# Altium PCB dAir_0.0.0.2.PcbDoc
Units mm, origin at the board's own origin, x right, y up, seen from the top; angles counter-clockwise.
Board outline 90 x 83 mm, 2 copper layers (Top Layer, Bottom Layer); 92 components, 56 nets, 316 pads, 180 vias.
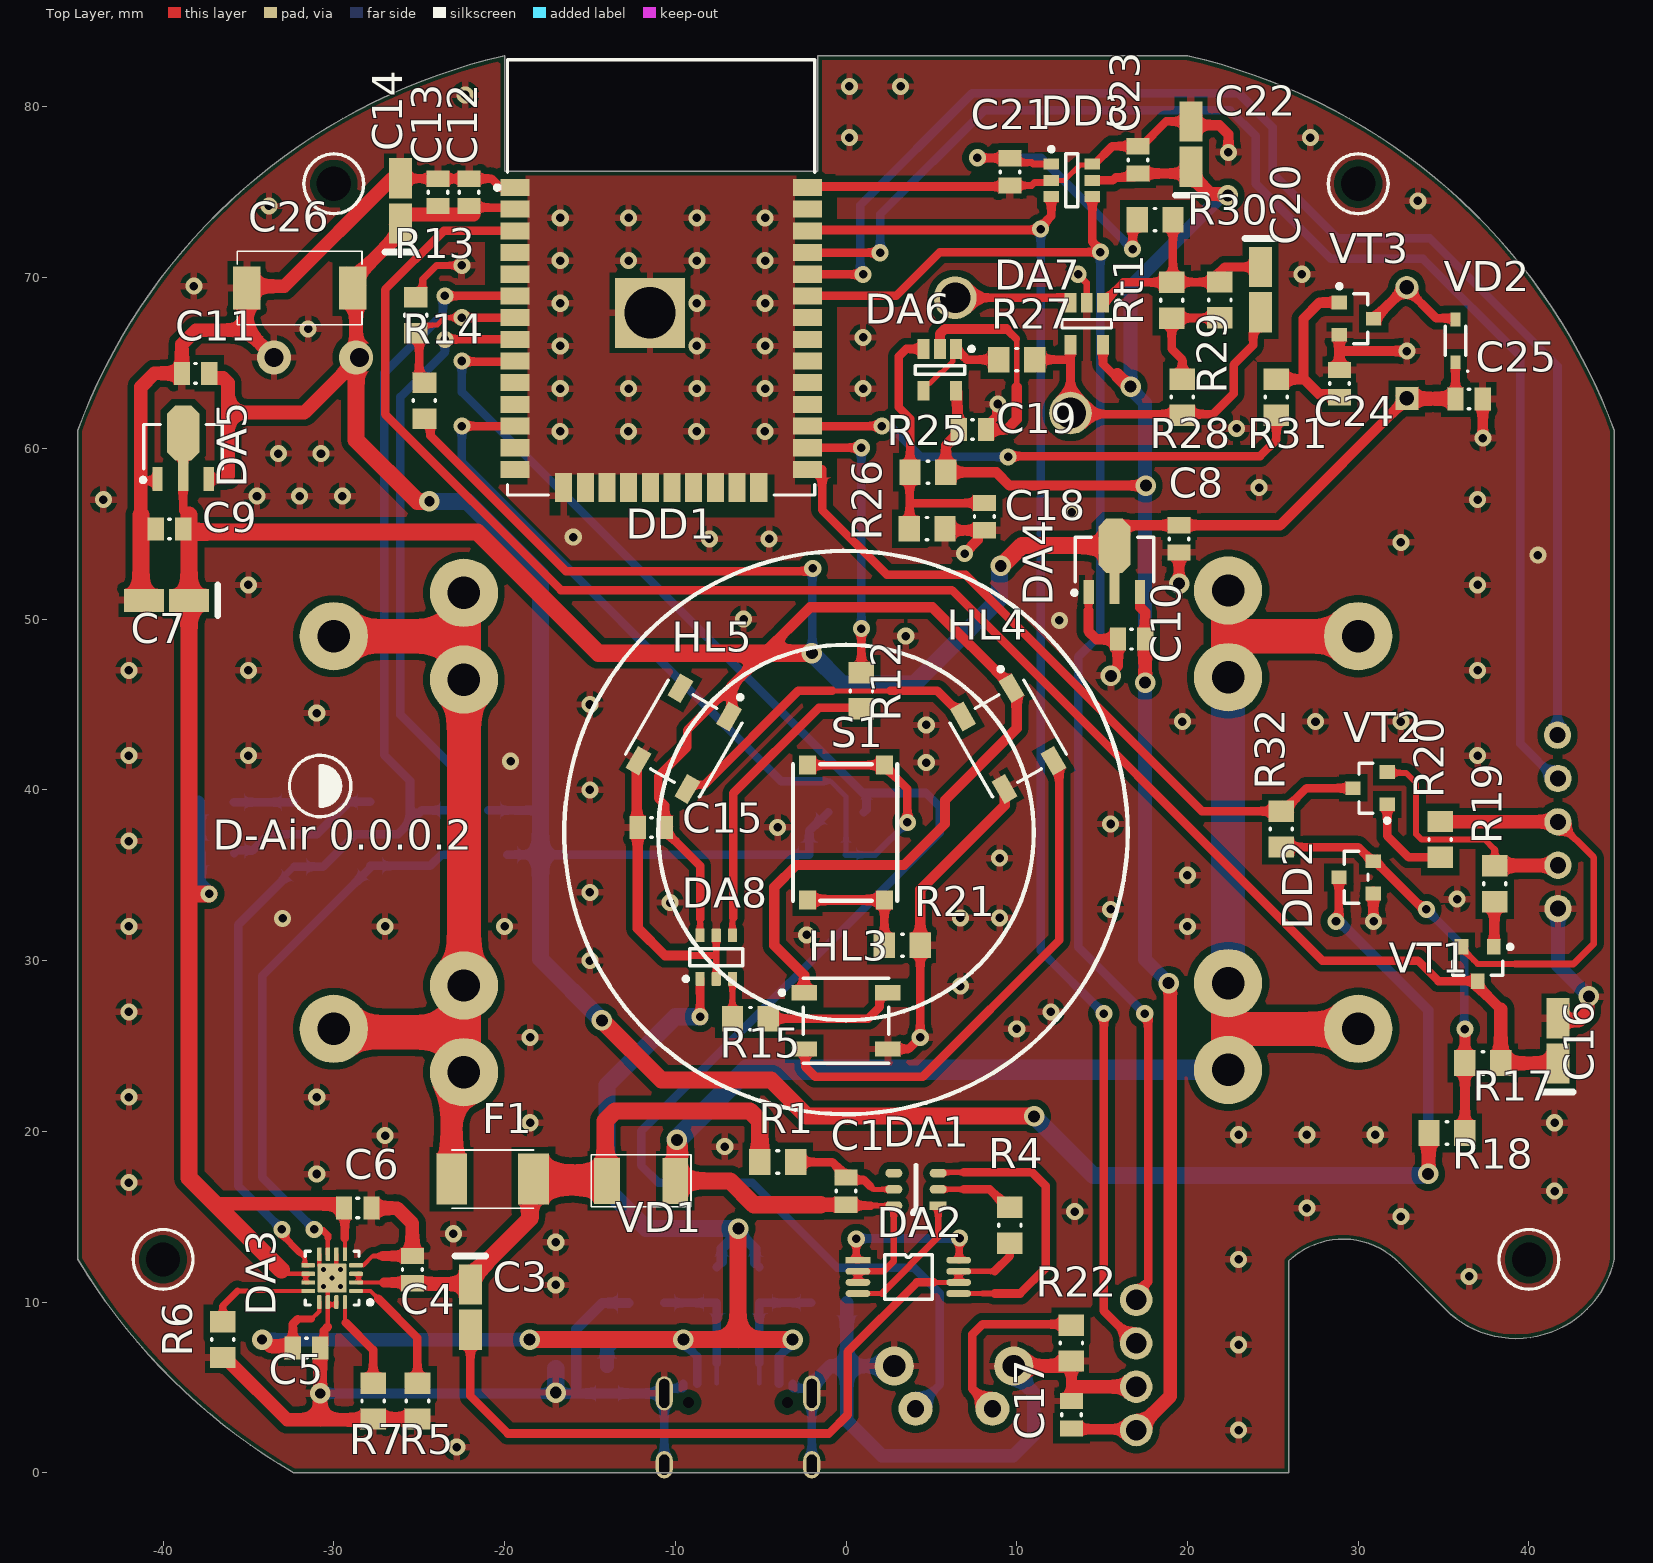
[diagram p0: Top Layer view]
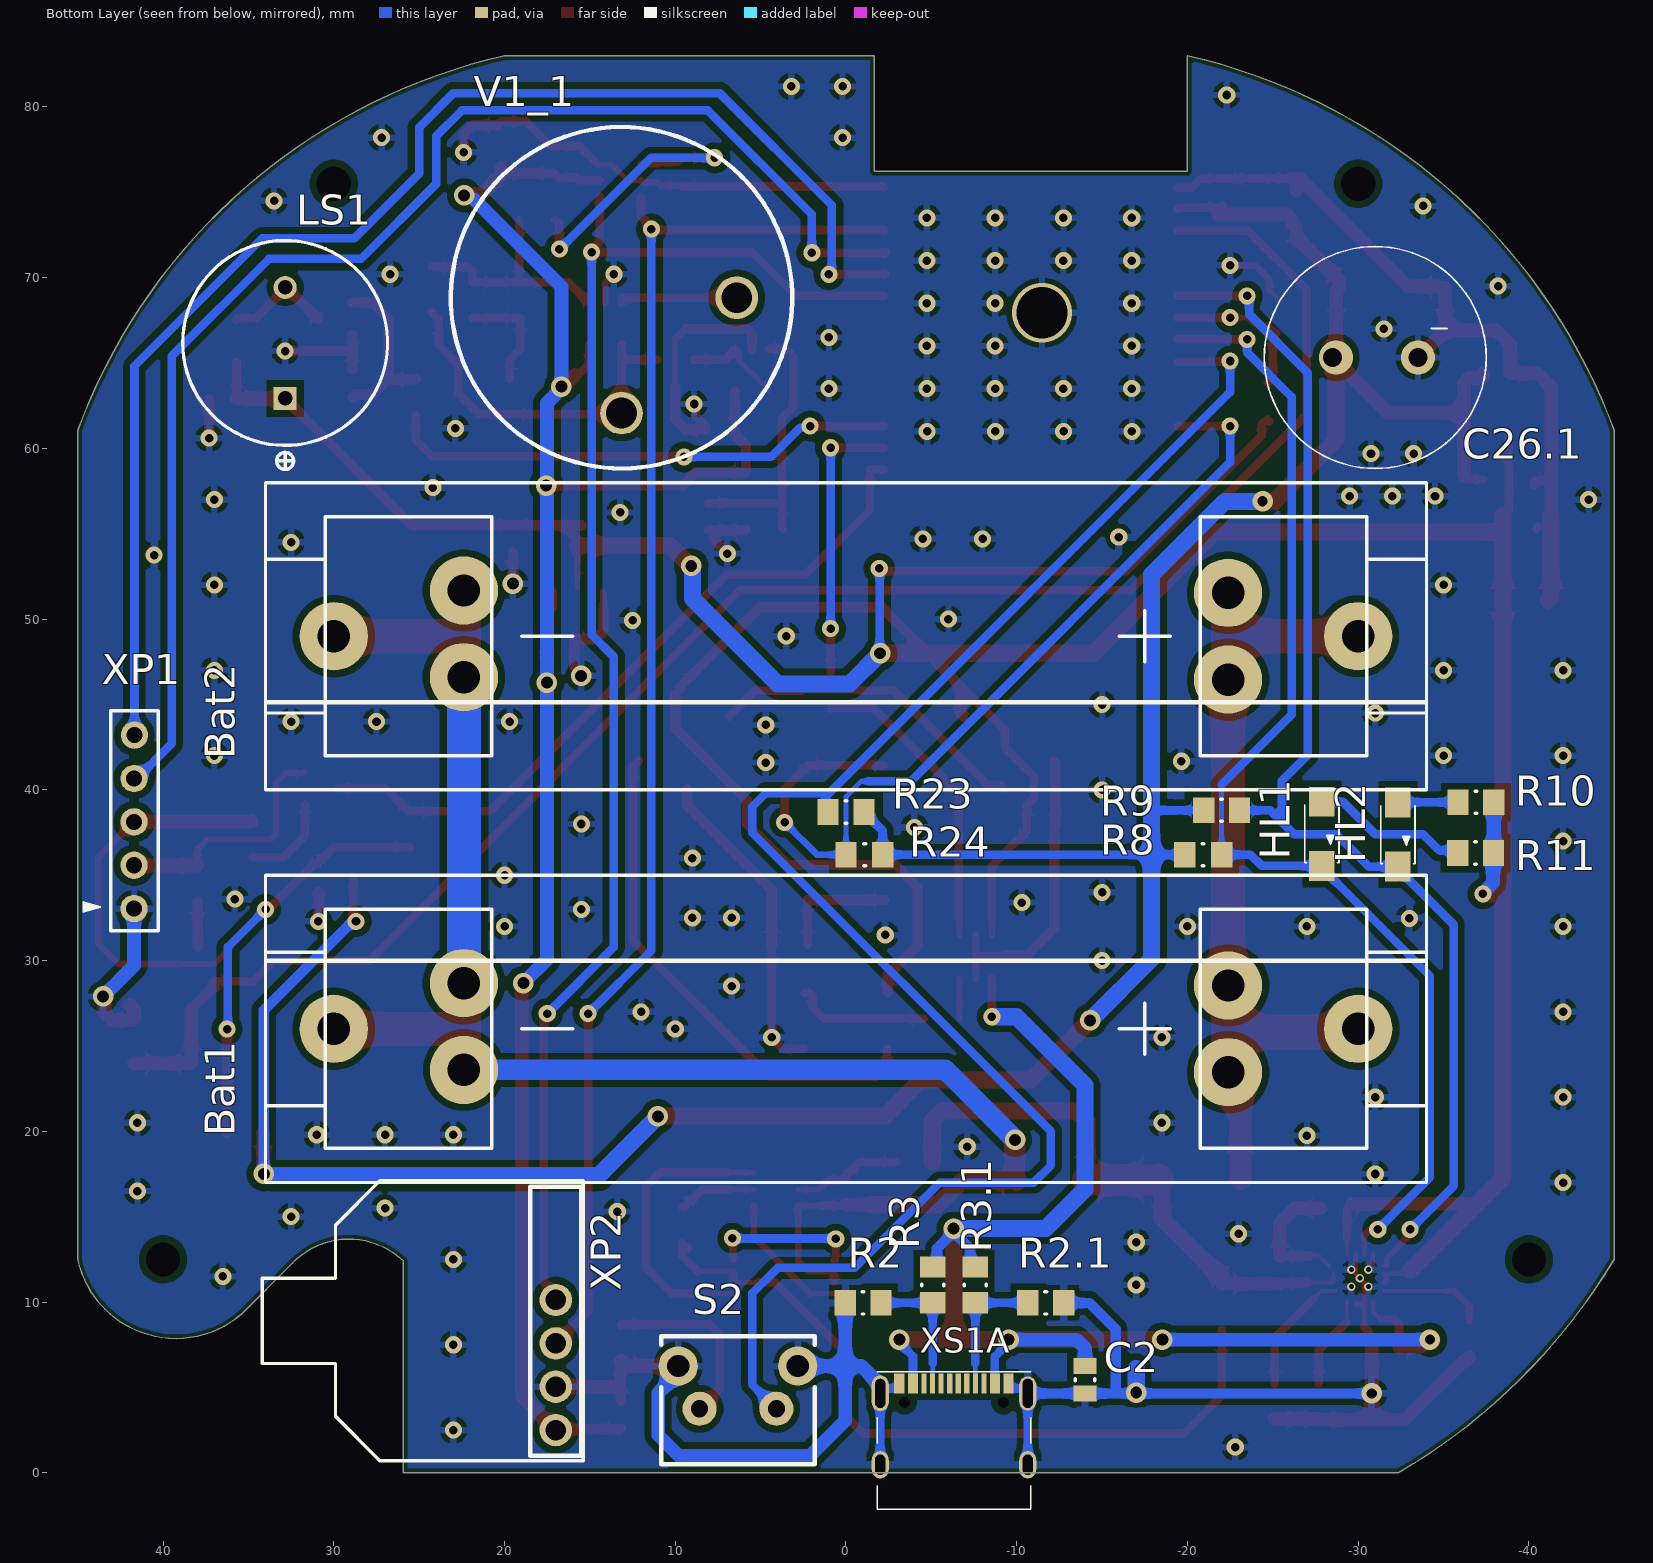
[diagram p1: Bottom Layer view, seen from below]

## Layer stack, top to bottom
Top Solder: solder mask 0.0102, Solder Resist, Dk 3.5
Top Layer: signal copper 0.0356
Dielectric 1: dielectric 0.32, FR-4, Dk 4.8
Bottom Layer: signal copper 0.0356
Bottom Solder: solder mask 0.0102, Solder Resist, Dk 3.5

## Board outline
-44.997,12.506 -45,61.05 cw(c-12.241,48.95) -20,83 -20,76.225 -1.65,76.225 -1.65,83 20,83 cw(c12.241,48.95) 45,61.05 45,12.5 cw(c39.249,13.749) 35.384,9.311 32.417,12.282 ccw(c29.113,9.095) 25.926,12.4 25.925,0 -32.37,0 cw(c-14.036,31.139)

## Design rules (kind name [scope] priority, off if disabled: settings)
BoardOutlineClearance [All] p1: gap=0.25 ignorepadtopadclearanceinfootprint=FALSE
Clearance [All] p1: gap=0.25 ignorepadtopadclearanceinfootprint=FALSE except(0.1: SMDPad-Via; 0.2: SMDPad-SMDPad; 0.4: Arc-Fill Arc-Poly Arc-Region Track-Fill Track-Poly Track-Region SMDPad-Fill SMDPad-Poly SMDPad-Region THPad-Fill THPad-Poly THPad-Region Via-Fill Via-Poly Via-Region Fill-Fill Fill-Poly Fill-Region Poly-Poly Poly-Region Region-Region)
HoleSize [All] p1: absolutevalues=TRUE maxlimit=5 minlimit=0.025 maxpercent=80.000 minpercent=20.000
PolygonConnect [All] p1: connectstyle=Relief reliefconductorwidth=0.4 reliefentries=4 polygonreliefangle="90 Angle" airgapwidth=0.3
RoutingVias [All] p1: holewidth=0 width=1 viastyle="Through Hole" minholewidth=0 minwidth=0 maxholewidth=10 maxwidth=10
SilkToSolderMaskClearance [IsPad] p1: minsilkscreentomaskgap=0.25 clearancetoexposedcopper=TRUE
SolderMaskExpansion [All] p1: expansion=0.102 istentingtop=FALSE
Width [All] p1: maxlimit=2 minlimit=0.25 preferedwidth=0.5
28 further rules are at their usual default settings.

## Components (designator, comment, footprint, x,y, rotation, side; value= is the part's Value field where it differs from the comment)
Bat1 "*" Bat_18650_KEYS54 0,26 r0 bottom locked
Bat2 "АКБ_18650_KEYS54" Bat_18650_KEYS54 0,49 r0 bottom locked
C1 "100nF" CAPC0805(2012)155_L 0,16.5 r270 top value=4.7uF
C2 "100nF" CAPC0805(2012)155_L -14,5.45 r270 bottom locked value=4.7uF
C3 "47uF" KEMT-A-3216-18-2_M -22,9.7 r270 top
C4 "4.7uF" CAPC0805(2012)155_L -25.4,11.9 r90 top
C5 "1uF" CAPC0805(2012)155_L -31.6,7.3 r0 top value=4.7uF
C6 "4.7uF" CAPC0805(2012)155_L -28.6,15.5 r0 top
C7 "100uF" KEMT-A-3216-18-2_M -39.8,51.1 r180 top
C8 "1uF" CAPC0805(2012)155_L 19.5,54.7 r90 top value=4.7uF
C9 "1uF" CAPC0805(2012)155_L -39.625,55.275 r0 top value=4.7uF
C10 "1uF" CAPC0805(2012)155_L 16.725,48.825 r0 top value=4.7uF
C11 "1uF" CAPC0805(2012)155_L -38.1,64.4 r0 top value=4.7uF
C12 "1nF" CAPC0805(2012)155_L -22.075,75 r270 top value=4.7uF
C13 "0.1uF" CAPC0805(2012)155_L -23.9,75 r270 top value=4.7uF
C14 "100uF" KEMT-A-3216-18-2_M -26.1,74.5 r90 top
C15 "0.1uF" CAPC0805(2012)155_L -11.4,37.8 r0 top value=4.7uF
C16 "0.1uF" KEMT-A-3216-18-2_M 41.7,25.3 r90 top
C17 "0.1uF" CAPC0805(2012)155_L 13.2,3.4 r270 top value=4.7uF
C18 "0.1uF" CAPC0805(2012)155_L 8.1,56 r90 top value=4.7uF
C19 "1uF" CAPC0805(2012)155_L 7.4,61.1 r0 top value=4.7uF
C20 "47uF" KEMT-A-3216-18-2_M 24.275,69.3 r270 top
C21 "0.1uF" CAPC0805(2012)155_L 9.6,76.2 r270 top value=4.7uF
C22 "10uF" KEMT-A-3216-18-2_M 20.2,77.825 r90 top
C23 "0.1uF" CAPC0805(2012)155_L 17.1,76.9 r270 top value=4.7uF
C24 "100 nF" CAPC0805(2012)155_L 28.9,63.8 r90 top value=4.7uF
C25 "1mF" CAPC0805(2012)155_L 36.5,62.9 r0 top value=4.7uF
C26 "Cap_tantal" "Tantal тип E" -32,69.4 r180 top
C26.1 "Cap_electrolitic" Capacitor_radial_13x21_5mm -31,65.325 r180 bottom locked
DA1 "dw01v" dw01v_SOT-23-6 5.5,15.65 r180 top
DA2 "fs8205" FS8205_TSSOP-8 0.7,12.45 r0 top
DA3 "BQ24075" RGT0016C_V -30.1,11.4 r180 top
DA4 "XC6206P302PR" SOT89_N 15.725,53.5 r90 top
DA5 "XC6206P302PR" SOT89_N -38.825,60.1 r90 top
DA6 "AD8603AU" ADI-UJ-5_M 5.5,64.6 r270 top
DA7 "AD8603AU" ADI-UJ-5_M 14.1,67.3 r270 top
DA8 "SN74LVC1T45DBVR" DBV0006A_L -7.6,30.2 r90 top
DD1 "ESP-WROOM-32" OLMX-ESP-WROOM-32 -10.825,66.5 r0 top locked
DD2 "MAX809RPR(SOT23)" FP-318-08-MFG 29.875,34.875 r180 top
DD3 "MCP3421A2T-E/CH" SOT-23-CH6_L 13.225,75.7 r0 top
F1 "Fuse" FUSE_MF-MSMF050 -20.7,17.2 r0 top
HL1 "HL?" LED_SMT-3.2x1.6x1.1 -27.875,37.425 r90 bottom
HL2 "HL?" LED_SMT-3.2x1.6x1.1 -32.325,37.375 r90 bottom
HL3 "WS2812B" ADAI-WS2812B_V 0,26.475 r0 top
HL4 "WS2812B" ADAI-WS2812B_V 9.5,43 r300 top
HL5 "WS2812B" ADAI-WS2812B_V -9.5,43 r240 top
LS1 "KPI1410(temporally)" CZCY-CY-12085G-5042-2_V 32.85,66.175 r90 bottom locked
R1 "300" RESC0805(2012)_M#1 -4,18.2 r0 top value="4.30 Ohm"
R2 "5.1k" RESC0805(2012)_M#1 -1,9.95 r180 bottom locked value="4.30 Ohm"
R2.1 "5.1k" RESC0805(2012)_M#1 -11.7,9.95 r0 bottom locked value="4.30 Ohm"
R3 "56k" RESC0805(2012)_M#1 -5.075,11 r90 bottom locked value="4.30 Ohm"
R3.1 "56k" RESC0805(2012)_M#1 -7.575,11 r90 bottom locked value="4.30 Ohm"
R4 "1k" RESC0805(2012)_M#1 9.6,14.5 r270 top value="4.30 Ohm"
R5 "10k" RESC0805(2012)_M#1 -25.1,4.2 r270 top value="4.30 Ohm"
R6 "2k" RESC0805(2012)_M#1 -36.5,7.8 r270 top value="4.30 Ohm"
R7 "1k" RESC0805(2012)_M#1 -27.7,4.2 r270 top value="4.30 Ohm"
R8 "47k" RESC0805(2012)_M#2 -20.9,36.2 r180 bottom value="4.30 Ohm"
R9 "47k" RESC0805(2012)_M#1 -22,38.8 r180 bottom value="4.30 Ohm"
R10 "1k" RESC0805(2012)_M#1 -36.9,39.275 r0 bottom value="4.30 Ohm"
R11 "1k" RESC0805(2012)_M#1 -36.875,36.3 r0 bottom value="4.30 Ohm"
R12 "470" RESC0805(2012)_M#1 0.9,45.8 r90 top value="4.30 Ohm"
R13 "470k" RESC0805(2012)_M#3 -25.2,67.8 r270 top value="4.30 Ohm"
R14 "100k" RESC0805(2012)_M#3 -24.7,62.8 r270 top value="4.30 Ohm"
R15 "100" RESC0805(2012)_M#1 -5.6,26.6 r0 top value="4.30 Ohm"
R17 "10k" RESC0805(2012)_M#1 37.3,24 r0 top value="4.30 Ohm"
R18 "10k" RESC0805(2012)_M#1 35.2,19.9 r180 top value="4.30 Ohm"
R19 "10k" RESC0805(2012)_M#1 38,34.5 r90 top value="4.30 Ohm"
R20 "10k" RESC0805(2012)_M#1 34.8,37.1 r90 top value="4.30 Ohm"
R21 "470" RESC0805(2012)_M#1 3.3,30.9 r180 top value="4.30 Ohm"
R22 "470" RESC0805(2012)_M#1 13.2,7.6 r90 top value="4.30 Ohm"
R23 "47k" RESC0805(2012)_M#1 0,38.7 r180 bottom value="4.30 Ohm"
R24 "47k" RESC0805(2012)_M#4 -1.1,36.2 r180 bottom value="4.30 Ohm"
R25 "1M" RESC0805(2012)_M#1 4.8,58.6 r0 top value="4.30 Ohm"
R26 "150k" RESC0805(2012)_M#1 4.75,55.3 r180 top value="4.30 Ohm"
R27 "200" RESC0805(2012)_M#1 10,65.2 r0 top value="4.30 Ohm"
R28 "120k" RESC0805(2012)_M#1 19.7,63 r90 top value="4.30 Ohm"
R29 "100k" RESC0805(2012)_M#1 21.9,68.7 r90 top value="4.30 Ohm"
R30 "100" RESC0805(2012)_M#1 18.1,73.4 r180 top value="4.30 Ohm"
R31 "470" RESC0805(2012)_M#1 25.2,63 r270 top value="4.30 Ohm"
R32 "10k" RESC0805(2012)_M#1 25.5,37.7 r270 top value="4.30 Ohm"
Rt1 "47k" RESC0805(2012)_M#1 19.075,68.675 r90 top value="4.30 Ohm"
S1 "Кнопка тактовая прямая" "Кнопка тактовая прямая SMT 4.3mm" 0,37.5 r90 top locked
S2 "Кнопка тактовая угловая" "Кнопка тактовая 4,3мм" 6.325,5 r180 bottom locked
V1_1 "ME2 CO" ME2_CO 13.15,68.825 r90 bottom locked
VD1 "LL4007" MELF/DO-213AB -12,17.1 r0 top
VD2 "LL4148" INF-SOD323_V 35.7,66.3 r180 top
VT1 "bc847" ONSC-SOT-23-3-318-08_V 37,29.8 r270 top
VT2 "bc847" ONSC-SOT-23-3-318-08_V 30.7,40.1 r180 top
VT3 "" ONSC-SOT-23-3-318-08_V 29.9,67.6 r0 top
XP1 "XP1" "Pin 5x2.54" 41.675,38.14 r90 bottom
XP2 "bme280" BME680 17,2.5 r0 bottom
XS1A "CON USB_TypeC-16Pin" USB_type_c_16P_SMT -6.325,5.225 r180 bottom locked

## Footprints (in the part's own frame and the unit in brackets; to place one, negate y for a bottom-side part, rotate by r counter-clockwise, add the part's x,y. Pads: shape width x height; smd on the part's side, far side on the other; paste and mask are expansions set on the pad)
ADAI-WS2812B_V [mm] "SMD, 4-Leads, Body 5x5mm, Pitch 3.3mm"
  rect 1.5x0.9 smd: 1(-2.45,1.65) 2(-2.45,-1.65) 3(2.45,-1.65) 4(2.45,1.65)
  silkscreen extent -3.87,-2.5 2.5,2.5, body extent -2.7,-2.5 2.7,2.5, height 1.69
ADI-UJ-5_M [mm] "SOT23, 5-Leads, Body 2.9x1.6mm, Pitch 0.95mm, IPC Low Density"
  rect 1.15x0.7 smd: 1(-1.225,0.95) 2(-1.225,0) 3(-1.225,-0.95) 4(1.225,-0.95) 5(1.225,0.95)
  silkscreen extent -1.35,-1.45 0.25,1.98, body extent -0.8,-1.45 0.8,1.45, height 1
Bat_18650_KEYS54 [mm]
  round 4 hole 1.9: 1(-30,0) 1(-22.38,-2.54) 1(-22.38,2.54) 2(22.38,-2.677) 2(22.38,2.403) 2(30,0)
  silkscreen extent -34,-9 34,9, body extent -34.01,-9.05 34.01,9.05, height 19
BME680 [mm]
  round 1.9 hole 1.2: 1(0,0) 2(0,-2.54) 3(0,-5.08) 4(0,-7.62)
  round 0 all layers, no hole: ""(0,-12.7) ""(0,-10.16)
  silkscreen extent -1.6,-14.6 17.2,1.8, body extent -1.55,-14.55 17.15,1.75, height 5.3
Capacitor_radial_13x21_5mm [mm]
  round 2 hole 1.1 copper offset 0.2,0: 1(-2.5,0)
  round 2 hole 1.1: 2(2.5,0)
  silkscreen extent -6.5,-6.5 6.5,6.5, body extent -6.1,-6.1 6.1,6.1, height 21.5
CAPC0805(2012)155_L [mm] "Chip Capacitor, Body 2.0x1.2mm, Height 1.55mm, IPC High Density"
  rect 0.95x1.35 smd: 1(-0.8,0) 2(0.8,0)
  silkscreen extent -0.05,-0.58 0.05,0.58, body extent -1.1,-0.72 1.1,0.72, height 1.55
CZCY-CY-12085G-5042-2_V [mm] "Through-hole Buzzer, 2-Leads, Dia 12mm, Height 8.5mm"
  rect 1.35x1.35 hole 0.85: 1(-3.25,0)
  round 1.35 hole 0.85: 2(3.25,0)
  Mechanical 13 keep-out circle w0.1: c0,0 r6
  silkscreen extent -7.41,-6 6,6, body extent -6,-6 6,6, height 8.5
DBV0006A_L [mm] "SOT23, 6-Leads, Body 3.05x1.75mm, Pitch 0.95mm, IPC High Density"
  rrect18% 0.8x0.55 smd: 1(-1.275,0.95) 2(-1.275,0) 3(-1.275,-0.95) 4(1.275,-0.95) 5(1.275,0) 6(1.275,0.95)
  silkscreen extent -1.4,-1.55 0.5,1.9, body extent -1.42,-1.46 1.42,1.46, height 1.11
dw01v_SOT-23-6 [mm]
  rect 1x0.5 smd: 1(0.1,0)
  oval 1x0.5 smd: 2(0.1,-0.95) 3(0.1,-1.9) 4(2.7,-1.9) 5(2.7,-0.95) 6(2.7,0)
  silkscreen extent 1.16,-2.38 1.64,0.48, body extent 0.19,-2.35 2.61,0.45, height 1.09
FP-318-08-MFG [mm]
  rect 0.9x0.8 smd paste+0 mask+0: 1(-1,0.95) 2(-1,-0.95) 3(1,0)
  silkscreen extent -0.7,-1.52 0.7,1.52, body extent -1.55,-1.62 1.55,1.62, height 0.25
FS8205_TSSOP-8 [mm]
  rect 1.45x0.4 smd: 1(0,0)
  oval 1.45x0.4 smd: 2(0,-0.65) 3(0,-1.3) 4(0,-1.95) 5(5.9,-1.95) 6(5.9,-1.3) 7(5.9,-0.65) 8(5.9,0)
  silkscreen extent 1.56,-2.28 4.34,0.33, body extent -0.2,-2.55 6.2,0.55, height 1.2
FUSE_MF-MSMF050 [mm]
  rect 1.8x3 smd: 1(-2.4,0) 2(2.4,0)
  silkscreen extent -2.4,-1.7 2.4,1.7, body extent -2.25,-1.63 2.25,1.63, height 0.75
INF-SOD323_V [mm] "SOD, 2-Leads, Body 1.7x1.25 mm"
  rect 0.6x0.8 smd: 1(0,1.25) 2(0,-1.25)
  silkscreen extent -0.76,-0.85 0.6,1.83, body extent -0.63,-0.85 0.63,0.85, height 1.1
KEMT-A-3216-18-2_M [mm] "Molded TAN Capacitor, 2-Leads, Body 3.4x1.8mm, IPC Low Density"
  rect 2.35x1.35 smd: 1(-1.325,0) 2(1.325,0)
  silkscreen extent -3,-0.9 -3,0.9, body extent -1.7,-0.9 1.7,0.9, height 1.8
LED_SMT-3.2x1.6x1.1 [mm]
  rect 1.75x1.5 smd: 1(-1.875,0) 2(1.875,0)
  silkscreen extent -1.7,-1 1.7,1, body extent -1.6,-0.8 1.6,0.8, height 1.1
ME2_CO [mm]
  round 2.5 hole 1.8: 1W(-6.755,0) 2C(0,-6.755)
  silkscreen extent -10,-10 10,10, body extent -10,-9.48 10,10.52, height 18.4
MELF/DO-213AB [mm]
  round 0.3 on Top Overlay: 0(2.5,1.8)
  rect 1.5x2.7 smd: 1(-2,0) 2(2,0)
  silkscreen extent -2.93,-1.53 2.93,1.53, body extent -2.51,-1.25 2.49,1.25, height 2.5
OLMX-ESP-WROOM-32 [mm] "SMD, 38-Leads, Body 18x25.5mm, Pitch 1.27mm"
  rect 1.7x1 smd: 1(-8.575,8.78) 2(-8.575,7.51) 3(-8.575,6.24) 4(-8.575,4.97) 5(-8.575,3.7) 6(-8.575,2.43) 7(-8.575,1.16) 8(-8.575,-0.11) 9(-8.575,-1.38) 10(-8.575,-2.65) 11(-8.575,-3.92) 12(-8.575,-5.19) 13(-8.575,-6.46) 14(-8.575,-7.73) 25(8.575,-7.73) 26(8.575,-6.46) 27(8.575,-5.19) 28(8.575,-3.92) 29(8.575,-2.65) 30(8.575,-1.38) 31(8.575,-0.11) 32(8.575,1.16) 33(8.575,2.43) 34(8.575,3.7) 35(8.575,4.97) 36(8.575,6.24) 37(8.575,7.51) 38(8.575,8.78)
  rect 4.1x4.1 smd: 1(-0.655,1.44)
  rect 1x1.7 smd: 15(-5.715,-8.78) 16(-4.445,-8.78) 17(-3.175,-8.78) 18(-1.905,-8.78) 19(-0.635,-8.78) 20(0.635,-8.78) 21(1.905,-8.78) 22(3.175,-8.78) 23(4.445,-8.78) 24(5.715,-8.78)
  silkscreen extent -9.72,-9.23 9,16.27, body extent -9.04,-9.25 9.04,16.29, height 3.04
ONSC-SOT-23-3-318-08_V [mm] "SOT23, 3-Leads, Body 2.92x1.3mm, Pitch 0.95mm"
  rect 0.9x0.8 smd: 1(-1,0.95) 2(-1,-0.95) 3(1,0)
  silkscreen extent -1.12,-1.46 0.65,2.03, body extent -0.65,-1.46 0.65,1.46, height 1.11
"Pin 5x2.54" [mm]
  round 1.6 hole 0.95: 1(-5.095,0.025) 2(-2.555,0.025) 3(-0.015,0.025) 4(2.525,0.025) 5(5.065,0)
  silkscreen extent -6.4,-1.4 6.5,3, body extent -6.31,-1.28 6.38,1.28, height 8.54
RESC0805(2012)_M#1 [mm] "Chip Resistor, Body 2.0x1.3mm, IPC Low Density"
  rect 1.25x1.5 smd: 1(-1.05,0) 2(1.05,0)
  silkscreen extent -0.05,-0.65 0.05,0.65, body extent -1.1,-0.67 1.1,0.67, height 0.7
RESC0805(2012)_M#2 [mm] "Chip Resistor, Body 2.0x1.3mm, IPC Low Density"
  rect 1.25x1.5 smd: 1(-1.05,0) 2(1.1,0)
  silkscreen extent -0.05,-0.65 0.05,0.65, body extent -1.1,-0.67 1.1,0.67, height 0.7
RESC0805(2012)_M#3 [mm] "Chip Resistor, Body 2.0x1.3mm, IPC Low Density"
  rect 1.2x1.4 smd: 1(-1.05,0) 2(1.05,0)
  silkscreen extent -0.05,-0.65 0.05,0.65, body extent -1.1,-0.67 1.1,0.67, height 0.7
RESC0805(2012)_M#4 [mm] "Chip Resistor, Body 2.0x1.3mm, IPC Low Density"
  rect 1.25x1.5 smd: 1(-1.1,0) 2(1.05,0)
  silkscreen extent -0.05,-0.65 0.05,0.65, body extent -1.1,-0.67 1.1,0.67, height 0.7
RGT0016C_V [mm] "QFN, 16-Leads, Body 3x3mm, Pitch 0.5mm, Thermal Pad 1.65x1.65mm"
  rrect40% 0.8x0.25 smd: 1(-1.4,0.75) 2(-1.4,0.25) 3(-1.4,-0.25) 4(-1.4,-0.75) 9(1.4,-0.75) 10(1.4,-0.25) 11(1.4,0.25) 12(1.4,0.75)
  rrect40% 0.25x0.8 smd: 5(-0.75,-1.4) 6(-0.25,-1.4) 7(0.25,-1.4) 8(0.75,-1.4) 13(0.75,1.4) 14(0.25,1.4) 15(-0.25,1.4) 16(-0.75,1.4)
  rrect6% 1.55x1.55 on Top Paste: 17(0,0)
  rrect6% 1.7x1.7 smd paste-0.85: 17(0,0)
  silkscreen extent -2.35,-1.57 1.57,1.58, body extent -1.5,-1.5 1.5,1.5, height 1
SOT89_N [mm] "SOT89, 3-Leads, Body 4.5x2.4 mm, Pitch 1.5mm, Lead Span 4.1mm, IPC Medium Density"
  rect 1.4x0.6 smd: 1(-1.9,1.5) 3(-1.9,-1.5)
  rect 1.8x0.6 smd: 2(-1.7,0)
  oct 3.2x1.9 smd: 2(0.8,0)
  silkscreen extent -2.07,-2.3 1.3,2.47, body extent -1.3,-2.3 1.29,2.3, height 1.6
SOT-23-CH6_L [mm] "SOT23, 6-Leads, Body 2.9x1.7mm, Pitch 0.95mm, Lead Span 2.8mm, IPC High Density"
  rect 0.9x0.65 smd: 1(-1.2,0.95) 2(-1.2,0) 3(-1.2,-0.95) 4(1.2,-0.95) 5(1.2,0) 6(1.2,0.95)
  silkscreen extent -1.32,-1.55 0.35,1.95, body extent -0.9,-1.55 0.9,1.55, height 1.45
"Tantal тип E" [mm]
  rect 1.6x2.5 smd: 1(-3.1,0) 2(3.1,0)
  round 0.4 on Top Overlay: ""(-4.025,1.875)
  silkscreen extent -3.65,-2.15 3.65,2.15, body extent -3.8,-2.3 3.8,2.3, height 4
USB_type_c_16P_SMT [mm]
  rect 0.6x1.15 smd: A1/B12(-3.2,0) A4/B9(-2.4,0) B1/A12(3.2,0) B4/A9(2.4,0)
  rect 0.3x1.15 smd: A5(-1.25,0) A6(-0.25,0) A7(0.25,0) A8(1.25,0) B5(1.75,0) B6(0.75,0) B7(-0.75,0) B8(-1.75,0)
  oval 1x1.6 hole 0.6 slot 1.2 at 90 deg: ""(-4.32,-4.755) ""(4.32,-4.755)
  oval 1x2.1 hole 0.6 slot 1.7 at 90 deg: ""(-4.32,-0.575)
  round 0 hole 0.65 unplated: ""(-2.89,-1.1) ""(2.89,-1.1)
  oval 1x2 hole 0.6 slot 1.7 at 90 deg: ""(4.32,-0.575)
  silkscreen extent -4.5,-7.35 4.5,0.7, body extent -4.48,-7.35 4.47,0.55, height 3.21
"Кнопка тактовая 4,3мм" [mm]
  round 2 hole 1: 1(-2.25,-1.25) 2(2.25,-1.25)
  round 2.3 hole 1.3: 3(-3.5,1.25) 4(3.5,1.25)
  silkscreen extent -4.5,-4.5 4.5,3, body extent -4.2,-4.3 4.2,2.75, height 7
"Кнопка тактовая прямая SMT 4.3mm" [mm]
  rect 1.1x1 smd: 1(-3.95,2.25) 2(-3.95,-2.25) 3(3.95,2.25) 4(3.95,-2.25)
  silkscreen extent -4,-3 4,3.1, body extent -4,-3 4,3, height 4.3
